# Altium PCB DM3370.PcbDoc (part 5 of 9)
Units mm, origin at the board's own origin, x right, y up, seen from the top; angles counter-clockwise.
Board outline 114.8 x 103.43 mm, 6 copper layers (Top Copper, GND 1, PWR, Signal Layer 1, GND 2, Bottom Copper), stack 1.599 mm thick; 540 components, 427 nets, 2136 pads, 1770 vias.
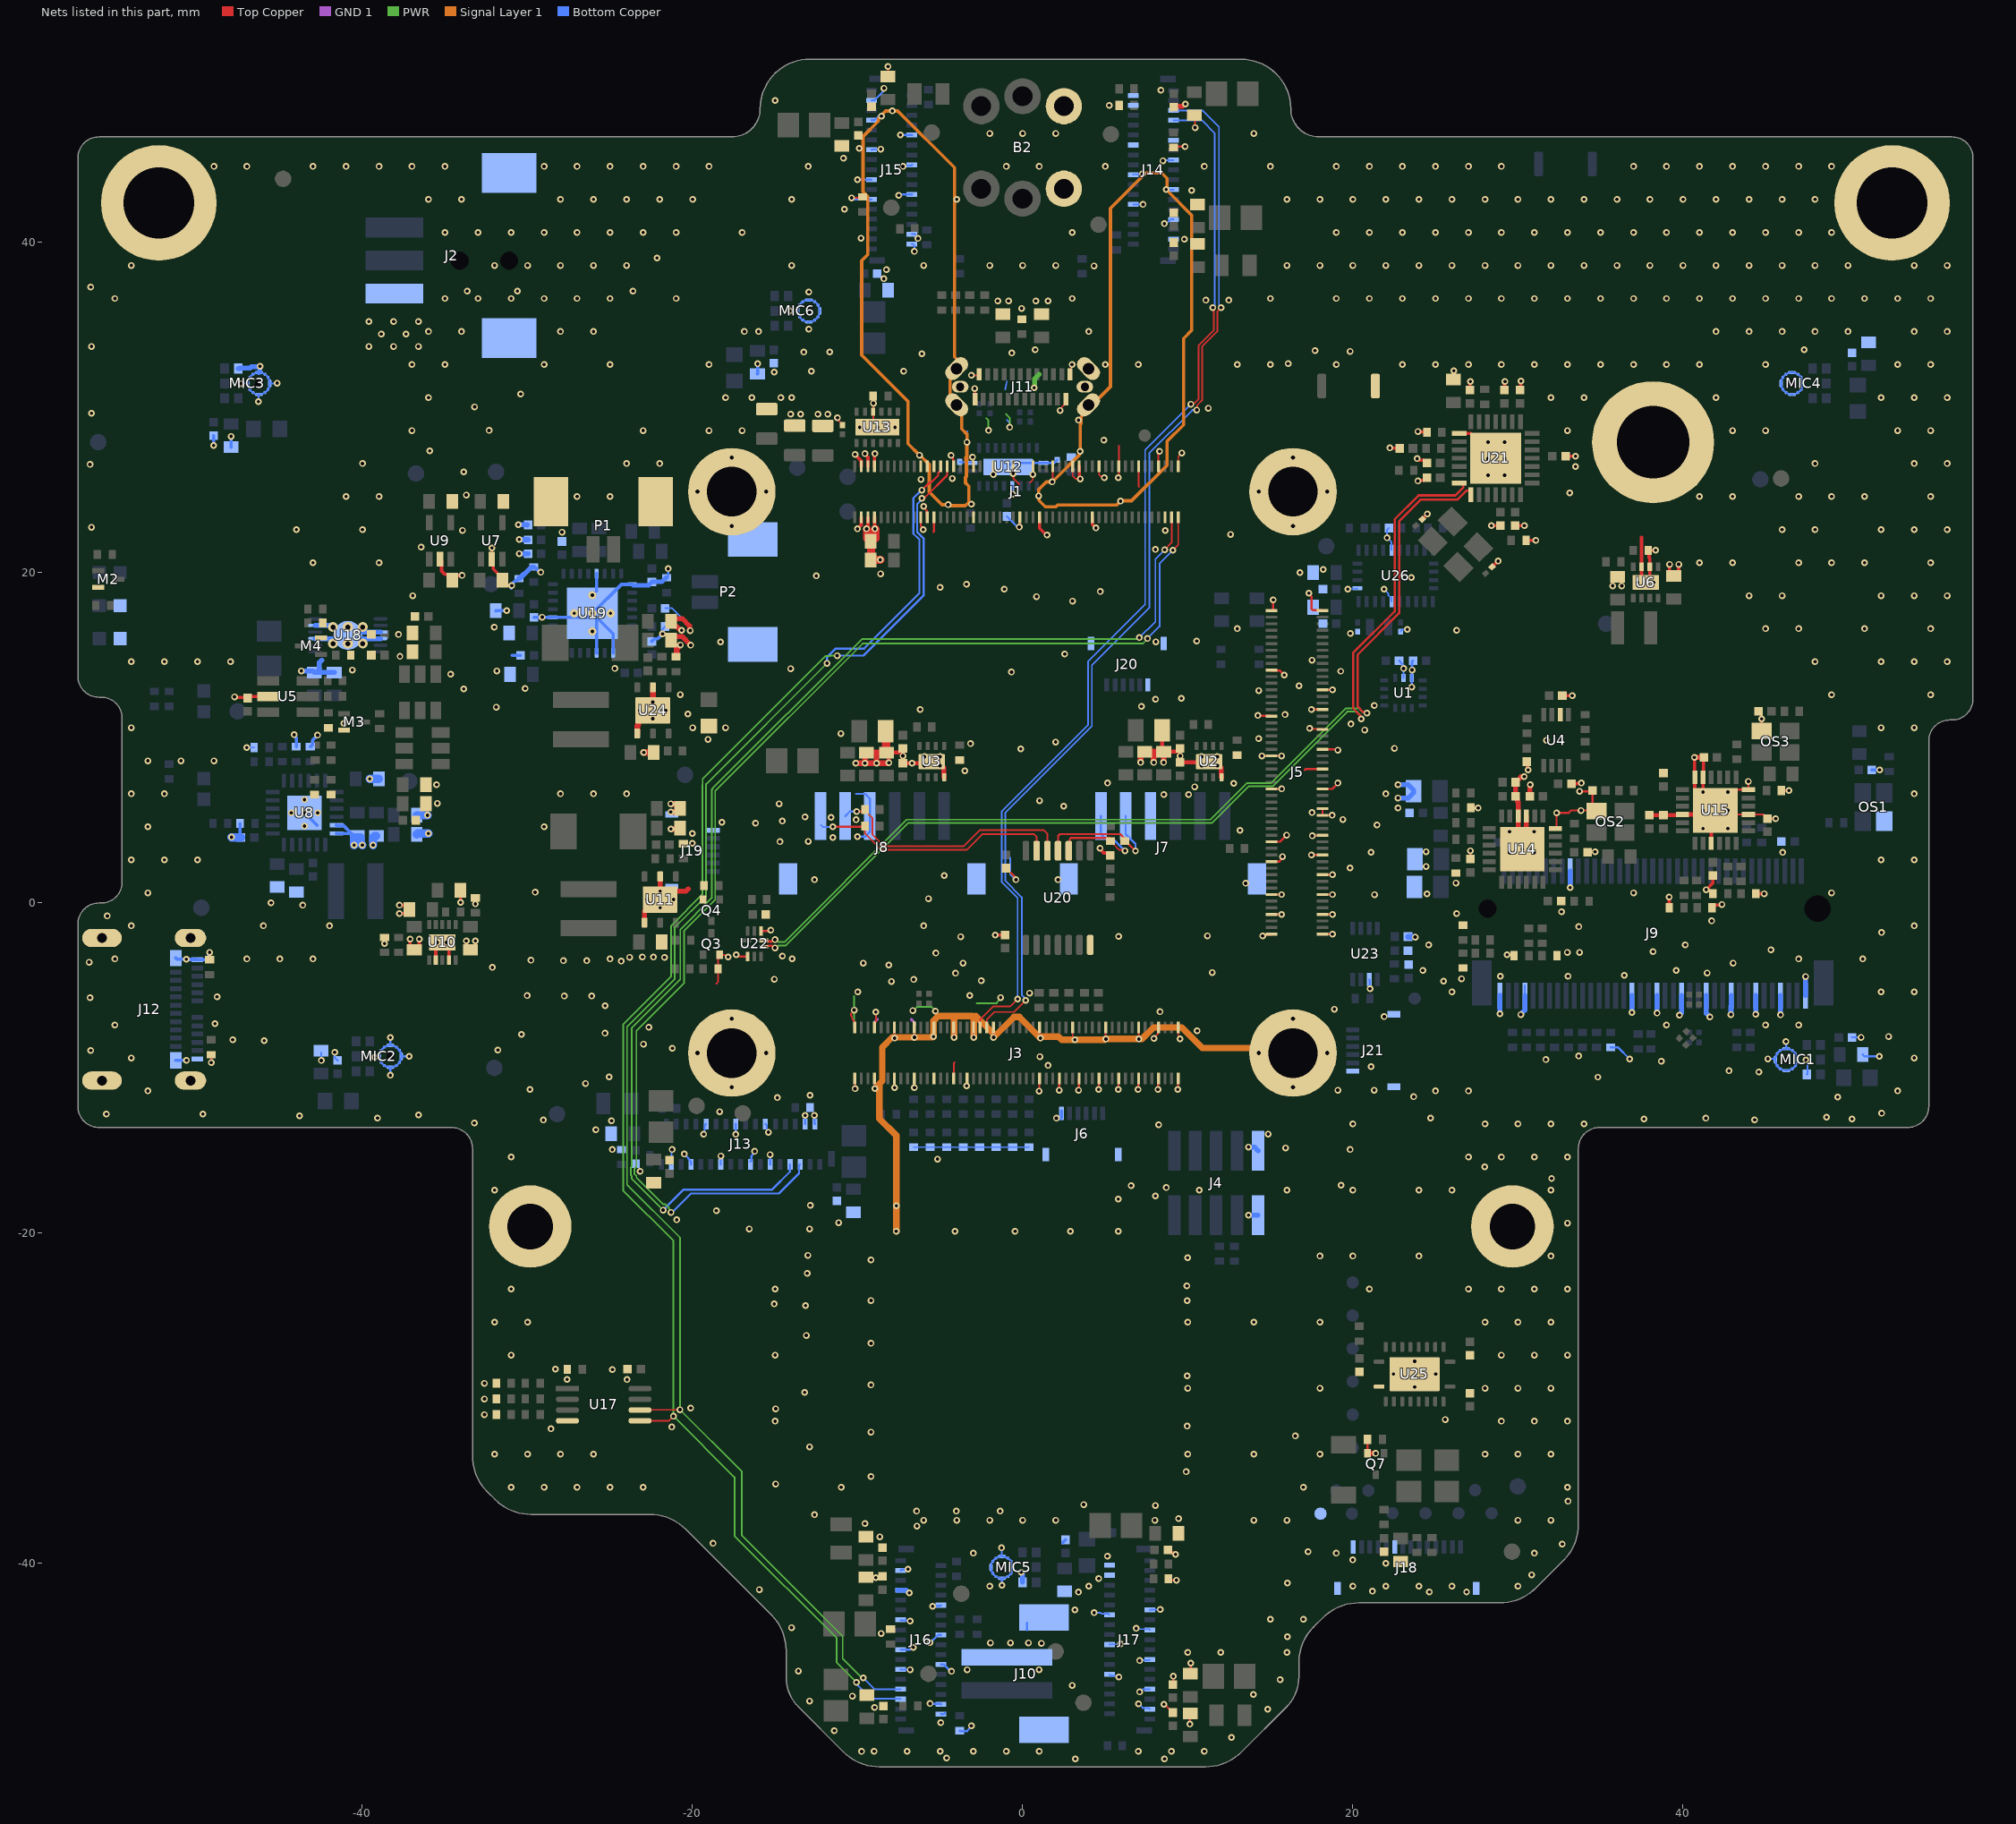
[diagram p9: the nets of this part, all layers, seen from the top]

## Via types
v1: diameter 0.406, hole 0.203, Top Copper to Bottom Copper, tented both sides, 1733 vias
v2: diameter 0.508, hole 0.254, Top Copper to Bottom Copper, 16 vias
v3: diameter 0.5, hole 0.2, Top Copper to Bottom Copper, 13 vias
v4: diameter 0.6, hole 0.3, Top Copper to Bottom Copper, 6 vias
v5: diameter 0.406, hole 0.203, Top Copper to Bottom Copper, 2 vias

## Nets (pads, with @x,y where several pads share a name; then routed paths per layer and width w, separated by ;. In a path a pad name is that pad's centre, name@x,y a point inside that pad or via, vN(x,y) a via of type N, cw(c..) or ccw(c..) an arc to the next point about the centre after c; other vN are vias at no path point) (continued)
GND: B1.2 B2.3 B2.4 C1.1 C2.1 C3.1 C4.1 C5.1 C6.1 C7.1 C8.1 C9.1 C10.1 C11.1 C12.1 C13.1 C14.1 C15.1 C16.1 C17.1 C18.1 C19.1 C20.1 C21.1 C22.1 C23.2 C24.1 C25.1 C26.1 C27.2 C28.1 C29.1 C30.1 C31.1 C32.1 C33.1 C34.1 C35.1 C36.1 C37.2 C38.1 C39.1 C40.1 C42.1 C43.1 C44.1 C45.1 C46.1 C47.1 C48.1 C49.1 C52.1 C55.1 C56.1 C57.1 C58.1 C59.2 C60.2 C61.2 C62.2 C63.2 C64.2 C65.1 C66.2 C67.2 C68.2 C69.2 C70.2 C71.2 C72.1 C73.1 C74.1 C75.1 C76.1 C77.1 C78.1 C79.1 C80.1 C81.1 C82.1 C83.1 C84.1 C85.1 C86.1 C87.1 C88.1 C89.1 C90.1 C91.1 C92.1 C93.1 C94.1 C95.1 C96.1 C97.1 C98.1 C99.1 C100.1 C101.1 C102.1 C103.1 C104.1 C105.1 C106.1 C107.1 C108.1 C109.1 C110.1 C111.1 C112.1 C113.1 C114.1 C115.1 C116.1 C117.1 C119.1 C120.1 C126.1 C127.1 C128.1 C129.1 C130.1 C131.1 C132.1 C133.1 C134.1 C135.1 C136.1 C137.1 C138.1 C139.2 C140.1 C141.2 C142.2 C143.1 C144.1 C145.2 C146.2 C147.2 C148.1 C149.1 C150.1 C151.1 C152.1 C153.1 C154.1 C155.1 C156.1 C157.1 C158.1 C159.1 C160.1 C161.1 C162.2 C164.1 C165.1 C166.1 C167.1 C168.1 C169.1 C170.1 C171.1 C172.1 C173.1 C174.1 C175.1 C176.1 C177.2 C178.1 C179.1 C180.1 C181.1 D1.1 D8.1 J1.3 J1.4 J1.5 J1.6 J1.7 J1.8 J1.21 J1.22 J1.23 J1.24 J1.25 J1.26 J1.31 J1.37 J1.38 J1.43 J1.49 J1.52 J1.55 J1.58 J1.61 J1.67 J1.69 J1.74 J1.75 J1.81 J1.87 J1.93 J1.96 J1.99 J2.3 J2.MP1 J2.MP2 J3.1 J3.2 J3.7 J3.8 J3.13 J3.14 J3.19 J3.20 J3.25 J3.26 J3.31 J3.32 J3.36 J3.37 J3.43 J3.57 J3.58 J3.64 J3.67 J3.70 J3.76 J3.77 J3.82 J3.87 J3.88 J3.93 J3.94 J3.99 J3.100 J4.9 J4.10 J5.1 J5.2 J5.20 J5.25 J5.31 J5.34 J5.37 J5.43 J5.46 J5.49 J5.55 J5.56 J5.61 J5.63 J5.69 J5.72 J5.75 J5.78 J5.81 J5.87 J5.88 J5.93 J5.94 J5.99 J5.100 J6.6 J6.S1 J6.S2 J7.4 J7.S1 J7.S2 J8.4 J8.S1 J8.S2 J9.1 J9.7 J9.18 J9.33 J9.39 J9.45 J9.51 J9.57 J9.63 J9.69 J9.75 J10.2 J10.3 J10.4 J11.A1 J11.A12 J11.B1 J11.B12 J11.SH1 J11.SH2 J11.SH3 J11.SH4 J11.SH5 J11.SH6 J12.A1 J12.A12 J12.B1 J12.B12 J12.SH1 J12.SH2 J12.SH3 J12.SH4 J13.2 J13.4 J13.11 J13.12 J13.15 J13.18 J13.21 J13.24 J13.27 J13.31 J14.2 J14.4 J14.11 J14.12 J14.15 J14.18 J14.21 J14.24 J14.27 J14.31 J15.2 J15.4 J15.11 J15.12 J15.15 J15.18 J15.21 J15.24 J15.27 J15.31 J16.2 J16.4 J16.11 J16.12 J16.15 J16.18 J16.21 J16.24 J16.27 J16.31 J17.2 J17.4 J17.11 J17.12 J17.15 J17.18 J17.21 J17.24 J17.27 J17.31 J18.9 J18.14 J18.S1 J18.S2 J19.6 J19.S1 J19.S2 J20.6 J20.S1 J20.S2 J21.6 J21.S1 J21.S2 M2.2 M3.2 M4.2 MH1.1 MIC1.2 MIC1.3 MIC2.3 MIC3.2 MIC3.3 MIC4.3 MIC5.2 MIC5.3 MIC6.3 MTG1.1 MTG2.1 MTG3.1 MTG4.1 OS1.2 OS2.2 OS3.2 P1.MP1 P1.MP2 P2.MP1 P2.MP2 pad.0 Q3.2 Q4.2 Q7.2 R12.2 R13.2 R14.2 R15.2 R16.2 R17.2 R36.2 R56.1 R60.1 R65.1 R66.1 R69.2 R72.1 R79.2 R80.1 R85.1 R86.2 R88.2 R91.1 R94.1 R95.1 R106.2 R107.1 R108.1 R109.1 R110.2 R111.2 R119.2 R120.2 R121.1 R122.1 R123.1 R125.2 R126.2 R129.2 R131.2 R132.2 R138.2 R140.2 R141.2 R145.1 R149.1 R150.1 R151.1 R152.1 R156.2 R157.2 R163.1 R164.1 R165.1 R167.1 R169.2 R174.1 R186.2 R188.1 R190.1 R191.1 R192.1 R194.1 R195.1 R197.1 R200.1 TP23.1 U1.6 U1.7 U2.4 U2.9 U3.4 U3.9 U4.2 U5.2 U6.2 U6.3 U6.9 U7.2 U8.17 U8.18 U8.25 U8.26 U8.27 U8.28 U8.29 U8.30 U9.2 U10.2 U10.4 U10.11 U11.1 U11.5 U11.7 U12.5 U12.11 U12.20 U12.21 U13.10 U13.13 U13.13.1 U13.13.2 U13.13.3 U14.3 U14.4 U14.24 U14.25 U15.5 U15.6 U15.10 U15.15 U15.21 U15.24 U15.25 U17.4 U18.3 U18.4 U18.9 U18.11 U18.13 U19.2 U19.4 U19.12 U19.21 U19.25 U19.33 U20.7 U21.15 U21.29 U22.3 U22.8 U23.2 U24.1 U24.5 U24.7 U25.11 U25.21 U26.2 U26.10 U26.25 | length 496.4
  Top Copper w0.102: v1@-32.2,21.5 -32.153,21.453 -32.153,20.83 U7.2@-32.162,20.821 ; -18.55,-4.9 -18.45,-4.8 R174.1@-18.45,-4 -18.45,-3.25 Q3.2@-18.35,-3.15 -18.039,-3.15 -17.906,-3.283 v1(-17.839,-3.283) ; v1(-11.212,29.384) -11.154,29.325 -11.154,29.204 -10.9,28.95 C57.1@-10.9,28.93 ; v1(-10.2,-6.5) -10.2,-6.52 -10.392,-6.712 -10.392,-6.845 -10.325,-6.911 -10.325,-7.032 -10.207,-7.15 -10.207,-7.522 J3.1@-10.168,-7.561 ; J3.2@-10.168,-10.641 -10.159,-10.65 -10.159,-11.254 v1(-10.15,-11.262) ; R85.1@-9.05,30.7 U13.10@-9.05,29.75 -9.05,29.05 U13.13@-8.8,28.8 ; J3.8@-8.968,-10.641 -8.959,-10.65 -8.959,-11.241 v1(-8.95,-11.25) ; J3.7@-8.968,-7.561 -8.968,-7.301 -8.875,-7.208 -8.875,-6.632 v1(-8.886,-6.621) ; J3.14@-7.768,-10.641 -7.759,-10.65 -7.759,-11.191 v1(-7.75,-11.2) ; J3.13@-7.768,-7.561 -7.759,-7.57 -7.759,-8.191 v1(-7.75,-8.2) ; J3.20@-6.568,-10.641 -6.559,-10.65 -6.559,-11.191 v1(-6.55,-11.2) ; J3.19@-6.559,-7.57 -6.559,-8.141 v1(-6.55,-8.15) ; v1(-5.4,-8.1) -5.384,-8.084 -5.384,-7.595 J3.25@-5.359,-7.57 ; J3.32@-4.168,-10.641 -4.168,-9.718 -4.1,-9.65 ; J3.31@-4.168,-7.561 -4.159,-7.57 -4.159,-8.141 v1(-4.15,-8.15) ; v1(-3.388,-11.085) -3.378,-11.075 -3.378,-10.651 J3.36@-3.368,-10.641 ; v1(-3.1,31.95) -2.685,31.95 J11.A1@-2.625,32.01 ; J3.37@-2.968,-7.561 -2.959,-7.57 -2.959,-8.141 v1(-2.95,-8.15) ; v1(-2.9,31.15) -2.887,31.138 -2.887,30.512 J11.B12@-2.875,30.5 ; v1(-1.775,25.95) -1.772,25.953 -1.772,26.436 J1.43@-1.768,26.439 ; J3.43@-1.768,-7.561 -1.759,-7.57 -1.759,-8.141 v1(-1.75,-8.15) ; J1.49@-0.568,26.439 -0.568,26.007 v1(-0.575,26) -0.563,25.988 -0.563,25.713 -0.2,25.35 ; 0.45,25.45 0.625,25.625 v1(0.625,25.95) 0.628,25.953 0.628,26.436 J1.55@0.632,26.439 ; J3.57@1.029,-7.546 1.057,-7.574 1.057,-8.172 v1(1.085,-8.2) ; v1(1.8,25.492) 1.832,25.524 J1.61@1.832,26.439 ; v1(2.27,29.82) 2.27,29.903 2.472,30.105 2.472,30.122 2.625,30.275 J11.B1@2.625,30.5 ; J11.A12@2.875,32.01 2.942,32.077 2.942,32.542 v1(3,32.6) ; J3.67@3.032,-7.561 3.032,-8.08 3.171,-8.219 v1(3.171,-8.301) ; J1.67@3.032,26.439 3.032,25.868 3.226,25.674 v1(3.501,25.674) ; J1.75@4.632,26.439 4.632,25.936 4.76,25.808 4.892,25.808 v1(4.95,25.75) ; J3.77@5.032,-7.561 5.032,-8.232 v1(5.05,-8.25) ; v1(5.8,25.75) 5.832,25.782 J1.81@5.832,26.439 5.832,27.682 5.85,27.7 ; J3.87@7.032,-7.561 7.032,-8.232 v1(7.05,-8.25) ; J1.87@7.032,26.439 7.032,25.218 7.05,25.2 ; v1(7.955,-8.214) 7.955,-8.192 8.193,-7.954 8.193,-7.6 J3.93@8.232,-7.561 ; J1.93@8.232,26.439 8.232,27.2 8.3,27.268 v1(8.3,27.35) ; J3.99@9.432,-7.561 9.432,-8.049 9.541,-8.157 v1(9.541,-8.24) ; J1.99@9.432,26.439 9.432,27.032 v1(9.65,27.25) ; v1(14.5,8.9) J5.46@15.092,8.899 ; v1(30.275,3.25) U14.25@30.525,3.5
  Top Copper w0.125: R95.1@-49.25,-3.45 v1(-49.25,-3) ; v1(-49.15,-9.675) R94.1@-49.15,-9.2 ; v1(1,-11.4) 1.016,-11.384 1.016,-10.657 J3.58@1.032,-10.641 ; v1(2.225,-11.35) 2.228,-11.347 2.228,-10.644 J3.64@2.232,-10.641 ; v1(3.4,-11.35) 3.416,-11.334 3.416,-10.657 J3.70@3.432,-10.641 ; v1(4.6,-11.3) 4.616,-11.284 4.616,-10.657 J3.76@4.632,-10.641 ; v1(5.8,-11.3) 5.816,-11.284 5.816,-10.657 J3.82@5.832,-10.641 ; v1(7,-11.3) 7.016,-11.284 7.016,-10.657 J3.88@7.032,-10.641 ; v1(8.2,-11.3) 8.216,-11.284 8.216,-10.657 J3.94@8.232,-10.641 ; R141.2@8.838,-40.95 8.917,-41.03 v1(9.317,-41.03) ; R131.2@9.15,45.743 9.207,45.8 v1(9.85,45.8) ; C81.1@9.15,48.193 9.203,48.245 C81.1@9.335,48.378 ; v1(9.4,-11.3) 9.416,-11.284 9.416,-10.657 J3.100@9.432,-10.641 ; v1@9.861,48.351 v1(9.861,48.378) ; C82.1@10.049,47.988 10.336,47.7 C82.1@10.4,47.7 10.45,47.65 v1(10.45,46.95) ; v1@27.999,-15.999 v1(28,-16)
  Top Copper w0.127: v1(-17.35,-3.15) -17.274,-3.15 -17.174,-3.25 U22.3@-16.65,-3.25 ; U22.8@-15.85,-1.713 -15.389,-1.713 -15.326,-1.65 v1(-15.25,-1.65) ; v1(-10.35,42.7) -9.75,42.7 R132.2@-9.7,42.75 ; R85.1@-9.05,30.7 -9.037,30.687 v1(-9.037,30.256) ; C90.1@-8.15,50.05 v1(-8.15,50.65) ; J1.22@-6.168,23.359 -6.168,22.819 -6.013,22.663 v1(-6.013,22.608) ; v1(-5.992,24.011) -5.992,23.936 -5.795,23.738 -5.795,23.386 J1.24@-5.768,23.359 ; -5.4,22.45 -5.368,22.482 J1.26@-5.368,23.359 ; v1(-4.325,27.1) -4.325,27.024 -4.195,26.894 -4.195,26.466 J1.31@-4.168,26.439 ; v1(-3.025,27) -2.995,26.97 -2.995,26.466 J1.37@-2.968,26.439 ; C144.1@-1,2.1 -0.453,1.553 -0.453,1.453 v1(-0.4,1.4) ; v1(-0.2,22.755) -0.184,22.771 -0.184,23.343 J1.52@-0.168,23.359 ; v1(8.564,-48.545) 8.608,-48.545 C101.1@9.112,-49.05 ; C97.1@9.112,-47.35 9.138,-47.325 v1(9.138,-46.85) ; v1(10.137,-49.75) 10.137,-49.125 C102.1@10.163,-49.1 ; C98.1@10.162,-46.7 10.187,-46.675 v1(10.187,-46.05) ; v1(14.258,11.343) 14.28,11.321 15.07,11.321 J5.34@15.092,11.299 ; v1(14.541,-2.013) 14.617,-2.013 14.702,-1.927 15.065,-1.927 J5.100@15.092,-1.901 ; J5.94@15.092,-0.701 v1(15.694,-0.701) ; J5.88@15.092,0.499 v1(15.694,0.499) ; J5.72@15.092,3.699 15.599,3.699 v1(16,4.1) ; J5.46@15.092,8.899 v1(15.694,8.899) ; J5.20@15.092,14.099 15.118,14.073 15.566,14.073 15.838,13.8 v1(15.85,13.8) ; J5.2@15.092,17.699 15.16,17.699 15.186,17.726 v1(15.186,18.353) ; J5.78@15.092,2.499 15.55,2.499 15.693,2.643 15.693,2.745 v1(15.747,2.799) ; J5.56@15.092,6.899 v1(15.7,6.9) ; 17.1,8.05 17.149,8.099 J5.49@18.172,8.099 ; v1(17.352,18.749) 17.352,18.683 17.5,18.535 17.5,17.794 17.574,17.72 18.151,17.72 J5.1@18.172,17.699 ; v1(17.39,10.568) 17.433,10.526 18.145,10.526 J5.37@18.172,10.499 ; v1(17.5,11.7) 17.501,11.699 J5.31@18.172,11.699 ; v1(17.5,2.9) J5.75@18.171,2.899 ; v1(17.55,4.05) 17.575,4.075 18.147,4.075 J5.69@18.172,4.099 ; J5.99@18.172,-1.901 v1(18.774,-1.901) ; J5.93@18.172,-0.701 v1(18.774,-0.701) ; J5.87@18.172,0.499 v1(18.774,0.499) ; J5.81@18.172,1.699 v1(18.774,1.699) ; J5.63@18.172,5.299 J5.61@18.172,5.699 J5.61@18.198,5.673 ; J5.55@18.172,6.899 18.774,6.899 19.1,7.225 v1(19.1,7.25) ; J5.43@18.172,9.299 19.051,9.299 v1(19.1,9.25) ; J5.25@18.172,12.899 v1(18.774,12.899) ; J5.63@18.172,5.299 v1(18.75,5.3) ; Q7.2@20.9,-33.35 R145.1@20.9,-32.5 ; C60.2@27.125,2.65 v1(27.125,3.15) ; R110.2@27.15,5.75 v1(27.6,5.75) ; U14.24@32.275,4.5 32.35,4.575 v1(32.35,5.45) 33.086,5.45 33.228,5.593 v1(33.839,5.593) OS2.2@34.732,5.593 ; v1(33.75,6.756) 34.481,6.756 C59.2@34.525,6.8 34.525,5.8 OS2.2@34.732,5.593 ; OS2.2@34.775,5.55 OS2.2@34.732,5.593 ; v1(42.725,6.7) 42.875,6.85 U15.24@43.975,6.85 v1(43.975,7.35) ; U15.25@42.875,5.4 42.925,5.35 U15.21@43.975,5.35 44.875,5.35 C68.2@45.125,5.1 v1(45.625,5.1) ; C66.2@44.575,11.6 44.775,11.4 v1(44.775,11.132) OS3.2@44.775,10.4 ; R119.2@45.975,6.8 v1(46.425,6.8)
  Top Copper w0.2: v1(-47.744,12.475) -47.707,12.437 -47.013,12.437 -46.95,12.5 U5.2@-45.7,12.5 ; v1(-38.65,-2.47) R65.1@-38.65,-2.1 ; v1(-37.75,-0.65) -37.4,-0.65 C39.1@-37.15,-0.4 -37.4,-0.15 v1(-37.75,-0.15) ; v1(-37.1,-2.2) -37.1,-2.6 -36.9,-2.8 -36.75,-2.8 -36.55,-2.6 v1(-36.55,-2.2) ; U10.2@-35.577,-3.507 U10.2@-35.55,-3.48 -35.55,-2.795 -35.155,-2.4 U10.11@-35.15,-2.4 -35.145,-2.4 -34.75,-2.795 U10.4@-34.75,-3.48 ; U9.2@-35.3,20.821 -35.2,20.721 -35.2,20.1 -35,19.9 -34.8,19.9 -34.55,19.65 C35.1@-34.55,19.6 ; C35.1@-34.55,19.55 C35.1@-34.55,19.6 ; v1(-34.05,0.03) C120.1@-34.05,0.75 ; v1(-33.954,19.829) -34.321,19.829 C35.1@-34.55,19.6 ; v1(-33.7,-2.3) -33.7,-2.6 C38.1@-33.45,-2.85 -33.4,-2.85 -33.15,-2.6 v1(-33.15,-2.3) ; v1(-33.15,-0.07) R69.2@-33.15,0.3 ; U7.2@-32.162,20.821 -32.062,20.721 -32.062,20.212 -31.5,19.65 C30.1@-31.5,19.55 -31.5,19.47 -31.25,19.22 v1(-30.944,19.22) ; v1(-21.316,5.995) -21,5.995 -20.989,5.984 C43.1@-20.75,5.745 ; C164.1@-21.08,16.125 -21.3,15.905 C164.1@-21.3,15.9 -21.3,15.871 -21.05,15.621 v1(-20.723,15.621) ; C42.1@-20.775,4.5 C42.1@-20.75,4.525 ; v1(-10.15,27.15) -9.768,26.768 J1.3@-9.768,26.439 ; v1(-10,22.65) -9.767,22.883 J1.4@-9.768,23.359 ; v1(-9.55,27.2) -9.55,27.169 -9.368,26.987 J1.5@-9.368,26.439 ; v1@-9.367,22.77 J1.6@-9.368,23.359 ; C180.1@-9.2,20.75 C180.1@-9.174,20.776 ; J1.8@-8.968,23.359 -8.959,23.35 -8.959,22.659 v1(-8.95,22.65) ; J1.7@-8.968,26.439 -8.968,27.182 v1(-8.95,27.2) ; v1(-1.65,-1.95) C143.1@-1.05,-1.95 ; J1.58@1.032,23.359 1.032,22.687 1.441,22.278 v1(1.476,22.278) ; J1.69@3.432,26.439 3.442,26.429 3.442,25.789 3.501,25.73 v1(3.501,25.674) ; J1.74@4.232,23.359 4.232,22.92 4.45,22.702 v1(4.45,22.7) ; v1(4.7,3.3) 4.739,3.261 4.739,3.197 4.92,3.016 5.153,3.016 C167.1@5.309,2.86 ; C99.1@8.8,-39.2 8.96,-39.36 9.098,-39.36 9.21,-39.472 v1(9.265,-39.472) ; v1(22.25,27.55) 22.264,27.536 22.836,27.536 C148.1@22.85,27.521 ; v1(23.9,26.9) 23.956,26.9 24.046,26.81 24.34,26.81 C156.1@24.5,26.65 ; v1(23.95,25.55) 24.006,25.55 24.046,25.59 24.34,25.59 C155.1@24.5,25.75 ; v1(23.95,28.55) 23.975,28.525 24.475,28.525 R86.2@24.5,28.5 ; C147.2@24.22,23.235 24.22,23.245 24.52,23.545 v1(24.52,23.555) ; C157.1@26.075,31.675 C157.1@26.1,31.7 26.1,32.2 v1(26.125,32.225) ; U21.15@26.452,28.427 27.162,28.427 U21.29@28.662,26.927 28.662,27.438 v1(28.2,27.9) ; C154.1@27.075,31.025 C154.1@27.1,31.05 27.1,31.55 v1(27.125,31.575) ; v1(28.4,22.85) C149.1@28.95,22.85 ; C146.2@28.448,20.348 28.454,20.348 28.799,20.693 v1(28.804,20.693) ; C152.1@29.175,31.025 C152.1@29.2,31.05 29.2,31.55 v1(29.225,31.575) ; C151.1@29.85,22.85 v1(30.4,22.85) ; C150.1@30.15,31.05 30.175,31.075 30.175,31.575 v1(30.2,31.6) ; R88.2@30.5,21.95 v1(31.1,21.95) ; C22.1@30.55,8.55 30.587,8.513 30.587,8.087 v1(30.625,8.05) ; C21.1@32.7,12.55 v1(33.3,12.55) ; C153.1@32.9,27.05 v1(33.5,27.05) ; C20.1@33.25,7.2 33.275,7.225 33.825,7.225 v1(33.85,7.25) ; v1(35.75,19.2) 35.75,19.5 36,19.75 C26.1@36.05,19.75 36.3,19.5 v1(36.3,19.2) ; v5(37.25,19.4) 37.5,19.65 U6.3@37.5,20.35 37.5,22.15 ; U6.9@37.75,19.4 38,19.65 U6.2@38,20.35 38,20.85 37.958,20.892 37.958,21.292 R60.1@37.9,21.35 v1(38.35,21.35) ; R120.2@39.175,-0.3 v1(39.175,0.35) ; v1(39.2,20.5) 39.2,20.05 C25.1@39.45,19.8 39.5,19.8 39.75,20.05 v1(39.75,20.5) ; v1(40.7,8.8) 40.712,8.788 40.712,7.613 U15.6@40.725,7.6 40.725,6.85 U15.25@41.975,5.6 42.675,5.6 U15.25@42.875,5.4 ; v1(41.225,6.7) U15.5@41.225,7.6 41.25,7.625 41.25,8.775 C69.2@41.275,8.8 ; v1(41.419,0.795) v1@41.437,0.813 ; v1@41.419,0.813 v1@41.437,0.813 ; U15.15@41.725,3.6 U15.25@41.725,4.5 ; R121.1@41.775,-0.3 41.775,-0.264 41.9,-0.139 42.336,-0.139 v1(42.375,-0.1) ; R122.1@41.825,0.55 41.825,0.6 41.7,0.725 41.545,0.725 41.457,0.813 v1@41.437,0.813 ; C67.2@41.825,1.65 41.825,1.201 v1@41.437,0.813 ; U15.25@42.925,5.35 U15.25@43.075,5.2 ; R123.1@44.425,0.55 v1(44.925,0.55)
  Top Copper w0.25: C12.1@-8.3,10.4 C12.1@-8.271,10.371 ; C9.1@-8.271,9.121 C9.1@-8.25,9.1 ; v1(-8.095,8.476) -8.095,8.945 C9.1@-8.25,9.1 ; v1(-5.95,8.3) -5.8,8.45 -5.6,8.45 U3.9@-5.5,8.55 -5.8,8.55 -5.9,8.45 v1(-6.7,8.45) C11.1@-7.25,8.45 v1(-7.25,8.9) C8.1@-7.25,9.35 -7.5,9.1 C9.1@-8.25,9.1 ; C7.1@8.45,10.45 8.45,9.25 C5.1@8.55,9.15 9.35,9.15 C3.1@9.55,9.35 v1(9.55,8.9) C6.1@9.55,8.5 11,8.5 U2.9@11.05,8.55 ; v1(10.85,8.3) 11.05,8.5 U2.9@11.25,8.5 ; C71.2@37.975,5.3 39.675,5.3 39.725,5.35 U15.10@39.975,5.35 41.725,5.35 U15.25@41.975,5.6
  Top Copper w0.3: U11.1@-22.9,-1.204 -22.9,-0.504 -22.07,0.326 -22.07,0.576 v3(-21.95,0.696) ; U11.5@-21.95,1.596 v3(-21.95,0.696) ; C164.1@-21.08,16.125 -20.625,16.125 v1(-20.1,15.6) ; v1(-20.661,16.506) -20.689,16.506 -20.743,16.559 -20.774,16.559 -20.915,16.7 -20.924,16.7 -20.974,16.75 -21.1,16.75 -21.3,16.95 C165.1@-21.3,17.05 -21.137,17.213 -20.613,17.213 -20.171,16.771 -20.171,16.529 v1(-20.131,16.49) ; -20.25,0.85 -20.404,0.696 v3(-21.95,0.696) ; v1(-5,8.3) -5.25,8.3 U3.9@-5.5,8.55 -5.2,8.55 -4.975,8.325 -4.925,8.325 -4.775,8.175 -4.775,7.625 U3.4@-4.75,7.6 ; C81.1@9.203,48.245 9.7,48.245 9.832,48.378 v1(9.861,48.378) ; U2.9@11.3,8.55 11.55,8.55 v1(11.8,8.3) ; U2.9@11.825,8.325 11.875,8.325 12.025,8.175 12.025,7.625 U2.4@12.05,7.6 ; Q7.2@20.9,-33.35 v1(21.395,-33.35) ; v1(30.275,3.25) 30.025,3.5 U14.4@30.025,5.25 30.025,6.1 29.985,6.14 29.985,6.34 C63.2@29.875,6.45 C65.1@29.875,7.3 30.205,7.63 30.38,7.63 v1(30.39,7.64) ; U14.25@30.525,3.5 U14.3@30.525,5.25 ; C64.2@30.725,6.45 30.738,6.462 30.738,7.138 v1(30.75,7.15) ; v1(40.7,8.8) C69.2@41.275,8.8
  Top Copper w0.35: U24.1@-23.35,10.25 -23.35,10.7 -23.275,10.775 -23.275,11.025 -22.65,11.65 U24.7@-22.4,11.65 ; v3(-22.4,12.15) U24.5@-22.4,13.05 ; v1(-21.316,5.498) -21.305,5.509 -20.925,5.509 -20.75,5.684 C43.1@-20.75,5.725 -20.75,5.745 -20.75,5.809 -20.925,5.984 -20.989,5.984 -21.305,5.984 v1(-21.316,5.995) ; v1(-21.308,4.468) -21.298,4.479 -20.796,4.479 C42.1@-20.775,4.5 ; R72.1@-21,14.9 -20.951,14.949 -20.951,15.394 v1(-20.723,15.621) ; v1(-10.1,8.449) v1(-9.55,8.45) ; C10.1@-9.45,9.1 -9.55,9 v1(-9.55,8.45) ; C10.1@-9.45,9.1 -8.85,9.101 ; C9.1@-8.271,9.121 -8.291,9.101 -8.85,9.101 ; v1(-8.095,8.476) -8.11,8.476 -8.137,8.45 v1(-8.85,8.45) ; v1(7.15,8.5) 7.15,8.975 7.325,9.15 C4.1@7.4,9.15 7.95,9.15 ; v1@7.95,8.522 7.95,9.15 ; v1(8.55,8.5) C5.1@8.55,9.15 7.95,9.15 ; v1(-9.55,8.45) v1(-8.85,8.45) ; v1(-8.85,8.45) -8.85,9.101
  Top Copper w0.4: v1(-22.95,9.1) C166.1@-22.35,9.1
  Top Copper w0.5: C181.1@-9.424,22.074 v1@-9.424,22.624 ; C180.1@-9.174,20.776 v1(-8.624,20.776) ; C180.1@-9.174,21.024 C181.1@-9.174,21.574 ; C181.1@-8.924,22.074 v1@-8.924,22.624 ; C9.1@-8.271,9.121 C12.1@-8.271,10.371
  GND 1 w0.15: -8.959,-7.516 -8.959,-7.209 -8.8,-7.05 ; -6.75,-7.05 -6.55,-7.25 -6.55,-7.4
  PWR w0.102: -10.2,-5.65 v1(-10.2,-6.5) -10.2,-7.55 -10.15,-7.6 ; v1(-6.652,-6.527) -6.602,-6.527 -6.375,-6.3 -5.537,-6.3 v1(-5.278,-6.56) ; -2.771,-6.094 -1.544,-6.094 -1.544,-6.028 -1.329,-5.813 v1(-1.329,-5.74) ; -2.2,29.35 -2.065,29.215 v1(-2.065,28.608) ; -1,29.6 -0.78,29.38 v1(-0.78,28.797)
  PWR w0.3: v1(0.705,31.193) 0.726,31.213 0.726,31.726 1,32
  Signal Layer 1 w0.2: v1@-6.254,27.105 -6.211,27.105 -5.655,26.55 -5.655,24.881 -4.885,24.111 v1(-4.51,24.111) ; v1(-6.244,27.115) -6.941,27.812 -6.941,30.366 -9.75,33.175 -9.75,38.895 -9.385,39.26 -9.385,42.784 -9.667,43.066 -9.667,46.41 -8.727,47.35 -8.727,47.526 -8.289,47.964 v1(-7.893,47.964) -7.561,47.964 -4.124,44.527 -4.124,33.07 -3.931,32.876 -3.931,32.53 -4.376,32.084 -4.376,31.723 -4.4,31.699 -4.4,30.749 -4.376,30.726 -4.376,30.426 -4.4,30.402 -4.4,30.103 J11.SH3@-4.181,29.884 ; v1@-4.4,24.05 -3.465,24.05 -3.259,24.256 -3.259,25.236 -3.455,25.432 -3.455,25.768 -3.402,25.82 -3.402,26.79 ; J11.SH3@-3.995,30.155 -3.692,29.852 -3.692,28.708 -3.37,28.386 v1@-3.37,27.9 ; -3.45,26.79 -3.45,26.992 -3.375,27.067 ; -3.375,26.79 -3.375,27.067 ; v1(-3.375,27.9) -3.375,27.067 ; v1@0.977,24.589 v1(0.977,24.645) ; v1(1.8,25.492) 1.441,25.492 0.977,25.028 v1(0.977,24.645) ; v1@1.864,25.556 3.449,27.14 3.449,27.289 3.503,27.343 3.503,28.972 3.55,29.019 3.55,29.427 3.671,29.548 3.671,29.723 3.995,30.046 4.104,30.046 5.323,31.266 5.323,42.058 7.47,44.205 8.425,44.205 8.75,43.88 v1@8.75,43.15 ; v1(8.7,43.2) v1@8.75,43.15 ; v1(0.977,24.645) 1.004,24.618 1.004,24.361 1.384,23.981 2.015,23.981 2.128,24.094 5.702,24.094 v1(5.933,24.325) 5.959,24.35 6.603,24.35 8.75,26.498 8.75,27.95 9.75,28.95 9.75,34.175 10.25,34.675 10.25,41.65 v1@8.75,43.15
  Signal Layer 1 w0.4: v1(-7.654,-19.9) -7.654,-14.096 -8.685,-13.065 -8.685,-10.972 -8.5,-10.787 -8.5,-8.75 -7.9,-8.15 v1(-6.55,-8.15) v1(-6.55,-8.15) -6.547,-8.149 -5.451,-8.149 v1(-5.4,-8.1) v1(-5.4,-8.1) -5.4,-7.151 -5.111,-6.863 -4.214,-6.863 -4.171,-6.906 -4.166,-6.906 -4.15,-6.922 ; v1(-4.15,-8.15) -4.15,-6.922 ; v1(-2.95,-8.15) -2.95,-6.935 -3.022,-6.863 -4.091,-6.863 -4.15,-6.922 ; -2.836,-6.863 -1.751,-7.948 v1(-1.75,-8.15) v1(-1.75,-8.15) -0.524,-6.924 -0.193,-6.924 1.082,-8.199 1.088,-8.199 1.187,-8.1 2.168,-8.1 2.368,-8.3 3.17,-8.3 v1(3.171,-8.301) 4.997,-8.301 5.048,-8.25 v1(5.05,-8.25) v1(7.05,-8.25) 7.237,-8.25 7.937,-7.55 9.65,-7.55 10.9,-8.8 13.98,-8.8 14.281,-9.101 v2(14.31,-9.101)
  Bottom Copper w0.102: v1(-46.995,9.4) R191.1@-46.55,9.4 ; C131.1@-21.657,17.837 -21.644,17.85 -21.25,17.85 -20.19,16.79 -20.19,16.548 v1(-20.131,16.49) ; J13.31@-21.282,-15.85 -21.257,-15.825 -21.257,-14.975 v1(-21.232,-14.95) ; J15.2@-6.7,39.9 -6.649,39.9 -6.55,39.801 v1(-6.55,39.45) ; J15.4@-6.7,40.5 -6.525,40.5 -6.332,40.307 v1(-6.332,40.238) ; R12.2@-6.6,-14.8 R156.2@-5.6,-14.8 R157.2@-4.6,-14.8 R13.2@-3.6,-14.8 R14.2@-2.6,-14.8 R15.2@-1.6,-14.8 R16.2@-0.6,-14.8 R17.2@0.4,-14.8 ; v1(-3.375,27.9) -3.35,27.925 -3.35,28.55 ; -1.05,31.1 -0.95,31.6 ; -0.95,29.25 -0.788,29.088 -0.788,28.805 v1(-0.78,28.797) ; v1(4.337,-43) 4.719,-43 4.785,-43.065 5.2,-43.065 J17.12@5.263,-43.128 ; J17.24@5.263,-46.728 5.362,-46.827 5.682,-46.827 5.755,-46.9 v1(5.837,-46.9) ; J17.18@5.263,-44.928 5.276,-44.914 5.924,-44.914 v1(5.937,-44.9) ; J14.24@6.7,42.3 v1(7.3,42.3) ; J14.18@6.7,44.1 6.725,44.125 7.225,44.125 v1(7.25,44.15) ; v1(6.887,-43.95) 6.93,-43.992 7.67,-43.992 J17.15@7.713,-44.035 ; v1(7.027,-48.521) 7.278,-48.772 7.65,-48.772 J17.31@7.713,-48.835 ; v1(7.087,-47.8) 7.123,-47.8 7.288,-47.635 J17.27@7.713,-47.635 ; v1(7.087,-45.9) 7.12,-45.867 7.68,-45.867 J17.21@7.713,-45.835 ; J17.11@7.713,-42.835 7.73,-42.817 8.32,-42.817 v1(8.337,-42.8) ; v1(8.5,44.95) 8.521,44.971 9.129,44.971 J14.15@9.15,44.993 ; v1(8.585,41.131) 8.643,41.189 8.771,41.189 8.975,41.393 J14.27@9.15,41.393 ; v1(8.7,43.2) 8.704,43.196 9.146,43.196 J14.21@9.15,43.193 ; v1(19.7,19) 19.725,19.025 20.262,19.025 U26.2@20.288,19.05 ; v1(21.9,19) 22.152,18.748 22.152,18.648 22.35,18.45 U26.25@22.35,18.238 ; C177.2@22.2,22.7 22.08,22.58 v1(22.08,22.102) 22.35,21.832 U26.10@22.35,21.362 ; C178.1@22.9,16.42 22.9,16.44 23.009,16.549 23.31,16.549 v1(23.313,16.553)